# Altium PCB 24V-12V_5X4.PcbDoc (part 3 of 4) (continued)
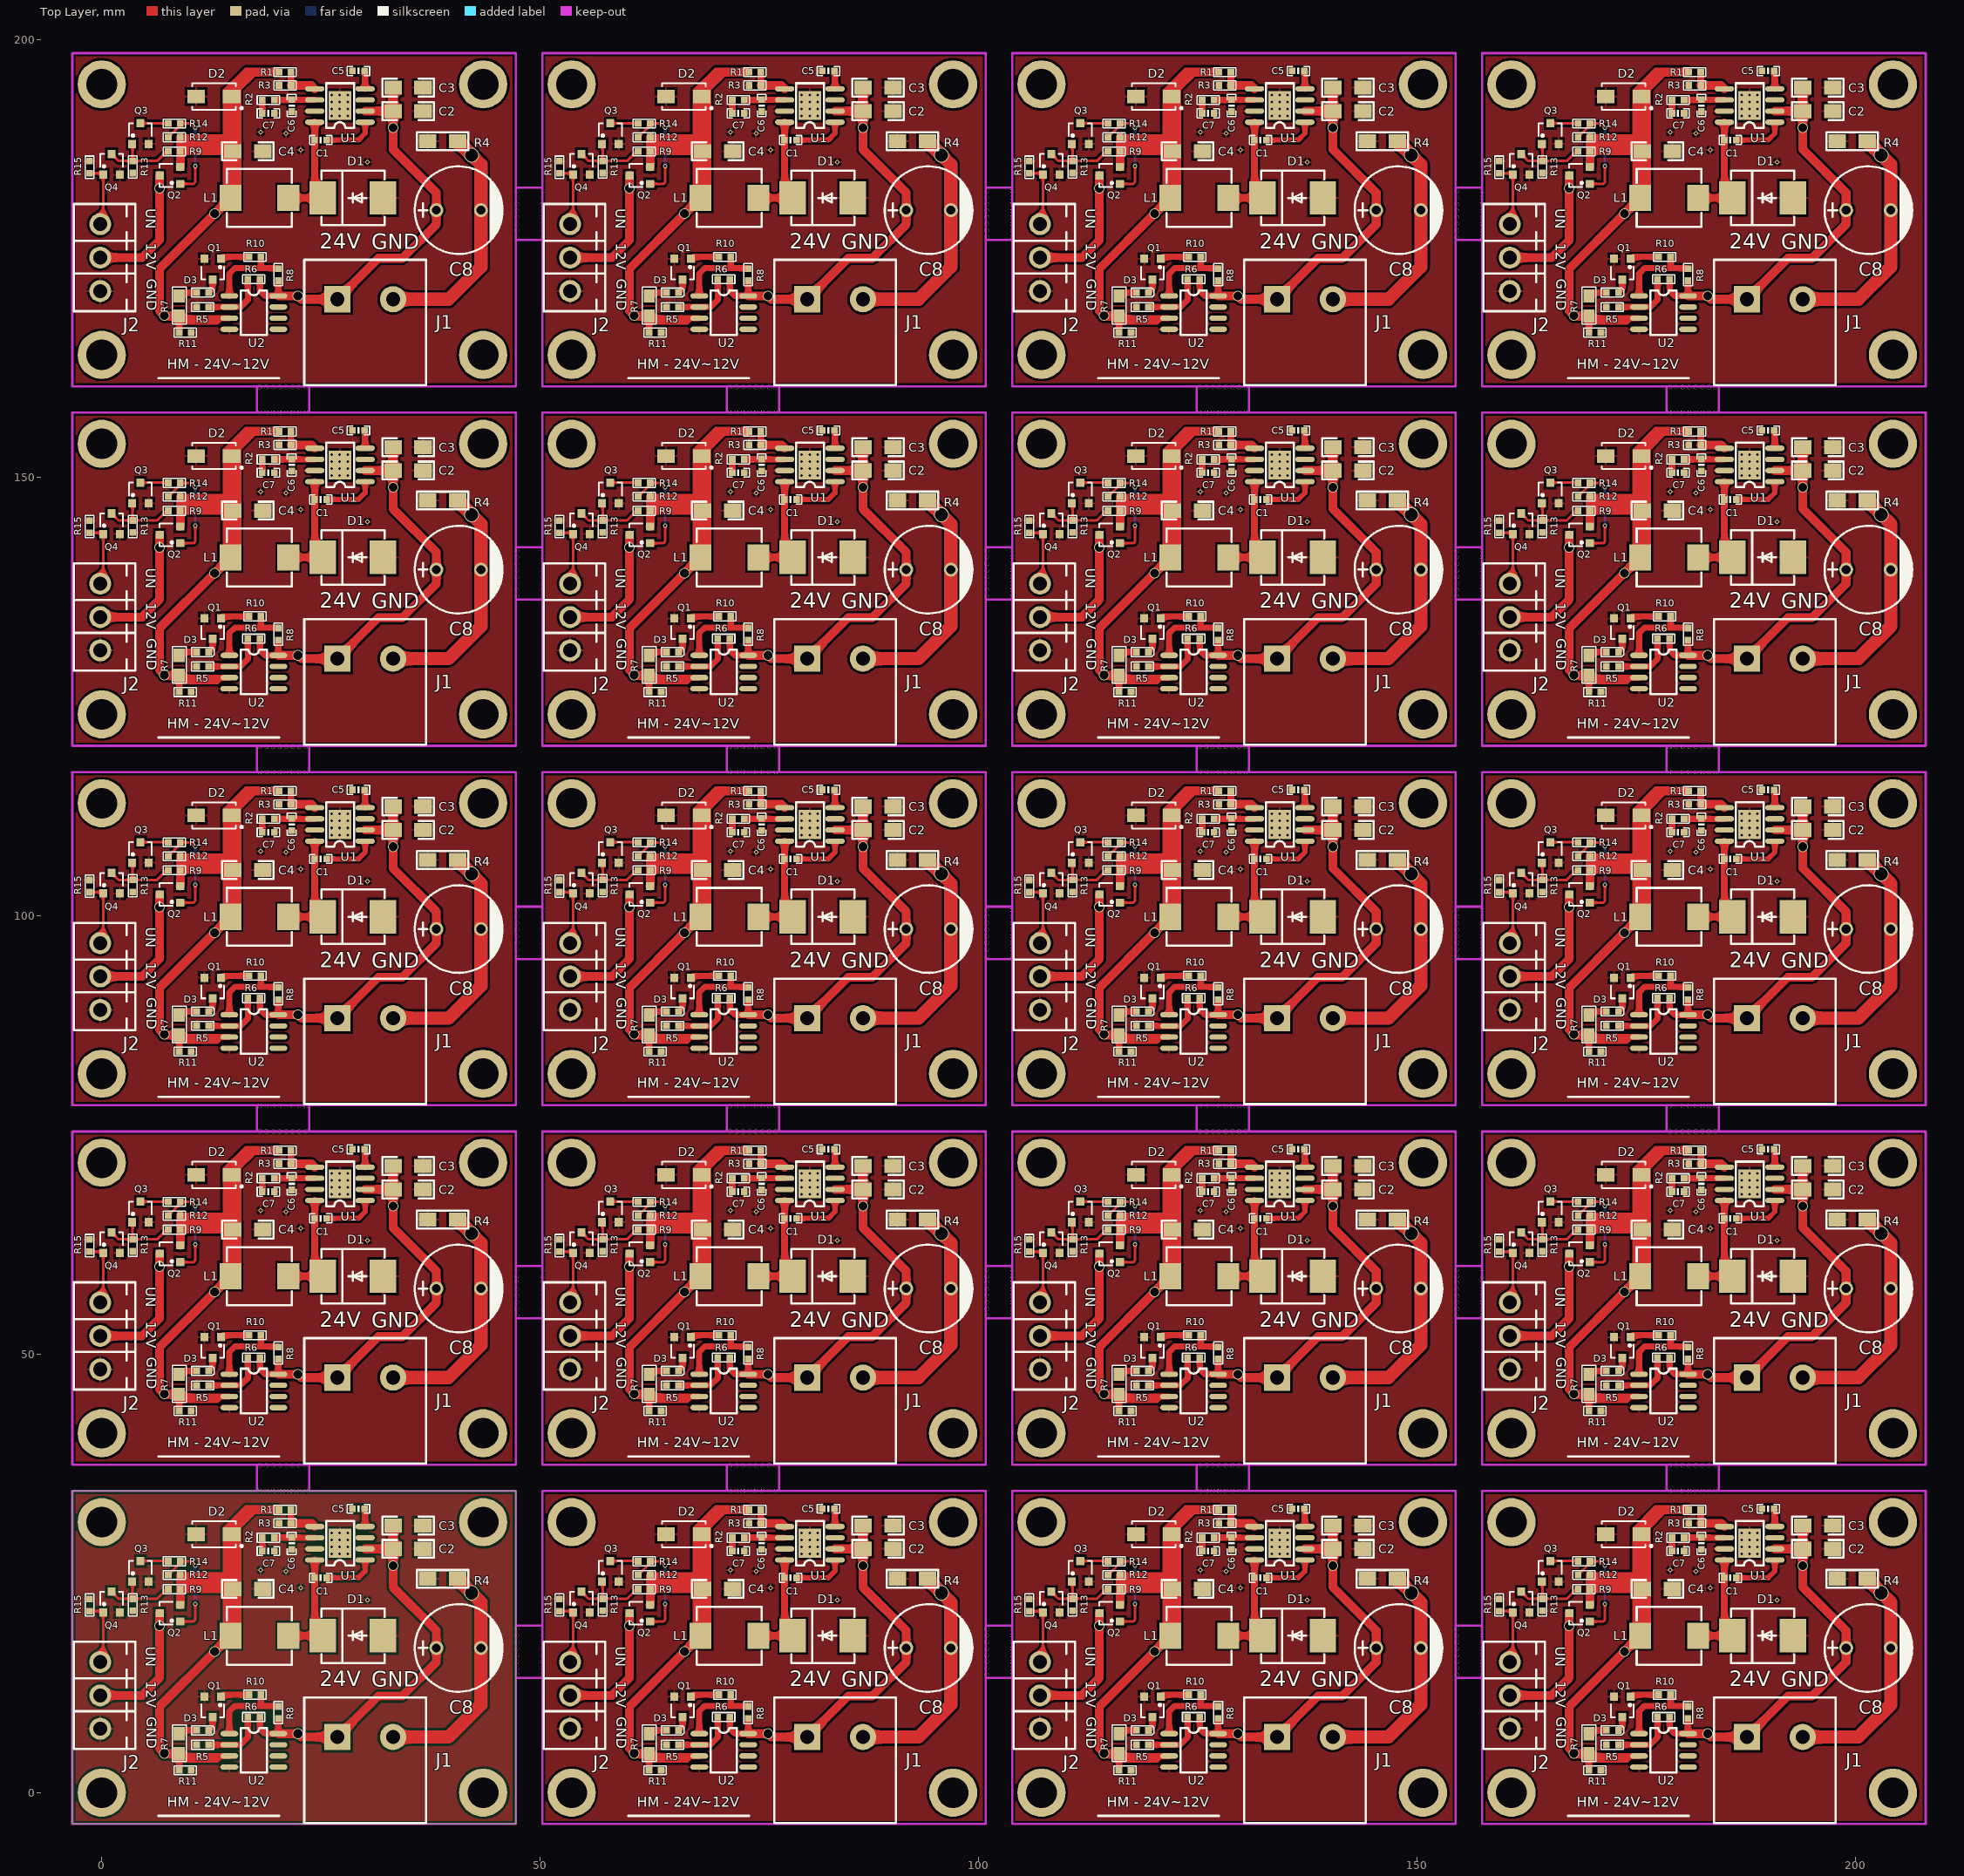
[diagram p0: Top Layer view]
## Nets (pads, with @x,y where several pads share a name; then routed paths per layer and width w, separated by ;. In a path a pad name is that pad's centre, name@x,y a point inside that pad or via, vN(x,y) a via of type N, cw(c..) or ccw(c..) an arc to the next point about the centre after c; other vN are vias at no path point) (continued)
  Top Layer w0.8: 21.285,17.907 25.216,17.907 24.298,18.825 24.298,26.542 ; 21.285,58.907 25.216,58.907 24.298,59.825 24.298,67.542 ; 21.285,99.907 25.216,99.907 24.298,100.825 24.298,108.542 ; 21.285,140.907 25.216,140.907 24.298,141.825 24.298,149.542 ; 21.285,181.907 25.216,181.907 24.298,182.825 24.298,190.542 ; 74.885,17.907 78.816,17.907 77.898,18.825 77.898,26.542 ; 74.885,58.907 78.816,58.907 77.898,59.825 77.898,67.542 ; 74.885,99.907 78.816,99.907 77.898,100.825 77.898,108.542 ; 74.885,140.907 78.816,140.907 77.898,141.825 77.898,149.542 ; 74.885,181.907 78.816,181.907 77.898,182.825 77.898,190.542 ; 128.485,17.907 132.416,17.907 131.498,18.825 131.498,26.542 ; 128.485,58.907 132.416,58.907 131.498,59.825 131.498,67.542 ; 128.485,99.907 132.416,99.907 131.498,100.825 131.498,108.542 ; 128.485,140.907 132.416,140.907 131.498,141.825 131.498,149.542 ; 128.485,181.907 132.416,181.907 131.498,182.825 131.498,190.542 ; 182.085,17.907 186.016,17.907 185.098,18.825 185.098,26.542 ; 182.085,58.907 186.016,58.907 185.098,59.825 185.098,67.542 ; 182.085,99.907 186.016,99.907 185.098,100.825 185.098,108.542 ; 182.085,140.907 186.016,140.907 185.098,141.825 185.098,149.542 ; 182.085,181.907 186.016,181.907 185.098,182.825 185.098,190.542
  Top Layer w1: -0.178,11.1 4.597,11.1 6.597,13.1 v2(6.597,19.025) 6.597,20.472 ; -0.178,52.1 4.597,52.1 6.597,54.1 v2(6.597,60.025) 6.597,61.472 ; -0.178,93.1 4.597,93.1 6.597,95.1 v2(6.597,101.025) 6.597,102.472 ; -0.178,134.1 4.597,134.1 6.597,136.1 v2(6.597,142.025) 6.597,143.472 ; -0.178,175.1 4.597,175.1 6.597,177.1 v2(6.597,183.025) 6.597,184.472 ; v2@7.115,4.468 7.14,4.442 8.841,4.442 ; v2@7.115,45.468 7.14,45.442 8.841,45.442 ; v2@7.115,86.468 7.14,86.442 8.841,86.442 ; v2@7.115,127.468 7.14,127.442 8.841,127.442 ; v2@7.115,168.468 7.14,168.442 8.841,168.442 ; v2(7.14,4.493) 6.579,5.055 6.579,9.804 v2(12.878,16.104) 14.681,17.907 14.932,18.158 14.932,23.24 ; v2(7.14,45.493) 6.579,46.055 6.579,50.804 v2(12.878,57.104) 14.681,58.907 14.932,59.158 14.932,64.24 ; v2(7.14,86.493) 6.579,87.055 6.579,91.804 v2(12.878,98.104) 14.681,99.907 14.932,100.158 14.932,105.24 ; v2(7.14,127.493) 6.579,128.055 6.579,132.804 v2(12.878,139.104) 14.681,140.907 14.932,141.158 14.932,146.24 ; v2(7.14,168.493) 6.579,169.055 6.579,173.804 v2(12.878,180.104) 14.681,181.907 14.932,182.158 14.932,187.24 ; 8.947,21.422 8.966,21.441 8.966,23.216 8.966,24.816 ; 8.947,62.422 8.966,62.441 8.966,64.216 8.966,65.816 ; 8.947,103.422 8.966,103.441 8.966,105.216 8.966,106.816 ; 8.947,144.422 8.966,144.441 8.966,146.216 8.966,147.816 ; 8.947,185.422 8.966,185.441 8.966,187.216 8.966,188.816 ; v2@12.852,16.104 v2@12.852,16.129 ; v2@12.852,57.104 v2@12.852,57.129 ; v2@12.852,98.104 v2@12.852,98.129 ; v2@12.852,139.104 v2@12.852,139.129 ; v2@12.852,180.104 v2@12.852,180.129 ; 14.384,25.996 14.384,23.788 14.932,23.24 ; 14.384,66.996 14.384,64.788 14.932,64.24 ; 14.384,107.996 14.384,105.788 14.932,105.24 ; 14.384,148.996 14.384,146.788 14.932,146.24 ; 14.384,189.996 14.384,187.788 14.932,187.24 ; 14.908,23.216 14.932,23.24 ; 14.908,64.216 14.932,64.24 ; 14.908,105.216 14.932,105.24 ; 14.908,146.216 14.932,146.24 ; 14.908,187.216 14.932,187.24 ; 20.145,6.732 v2(22.377,6.732) 22.76,6.35 26.873,6.35 31.547,11.024 34.29,11.024 38.176,14.91 38.176,16.51 38.176,18.491 33.22,23.447 v2(33.22,25.908) 33.22,27.812 ; 20.145,47.732 v2(22.377,47.732) 22.76,47.35 26.873,47.35 31.547,52.024 34.29,52.024 38.176,55.91 38.176,57.51 38.176,59.491 33.22,64.447 v2(33.22,66.908) 33.22,68.812 ; 20.145,88.732 v2(22.377,88.732) 22.76,88.35 26.873,88.35 31.547,93.024 34.29,93.024 38.176,96.91 38.176,98.51 38.176,100.491 33.22,105.447 v2(33.22,107.908) 33.22,109.812 ; 20.145,129.732 v2(22.377,129.732) 22.76,129.35 26.873,129.35 31.547,134.024 34.29,134.024 38.176,137.91 38.176,139.51 38.176,141.491 33.22,146.447 v2(33.22,148.908) 33.22,150.812 ; 20.145,170.732 v2(22.377,170.732) 22.76,170.35 26.873,170.35 31.547,175.024 34.29,175.024 38.176,178.91 38.176,180.51 38.176,182.491 33.22,187.447 v2(33.22,189.908) 33.22,191.812 ; 21.59,30.734 23.916,30.734 24.298,30.352 ; 21.59,71.734 23.916,71.734 24.298,71.352 ; 21.59,112.734 23.916,112.734 24.298,112.352 ; 21.59,153.734 23.916,153.734 24.298,153.352 ; 21.59,194.734 23.916,194.734 24.298,194.352 ; 30.045,27.812 33.22,27.812 ; 30.045,68.812 33.22,68.812 ; 30.045,109.812 33.22,109.812 ; 30.045,150.812 33.22,150.812 ; 30.045,191.812 33.22,191.812 ; 33.22,30.479 33.22,27.812 ; 33.22,71.479 33.22,68.812 ; 33.22,112.479 33.22,109.812 ; 33.22,153.479 33.22,150.812 ; 33.22,194.479 33.22,191.812 ; 53.422,11.1 58.197,11.1 60.197,13.1 v2(60.197,19.025) 60.197,20.472 ; 53.422,52.1 58.197,52.1 60.197,54.1 v2(60.197,60.025) 60.197,61.472 ; 53.422,93.1 58.197,93.1 60.197,95.1 v2(60.197,101.025) 60.197,102.472 ; 53.422,134.1 58.197,134.1 60.197,136.1 v2(60.197,142.025) 60.197,143.472 ; 53.422,175.1 58.197,175.1 60.197,177.1 v2(60.197,183.025) 60.197,184.472 ; v2@60.715,4.468 60.74,4.442 62.441,4.442 ; v2@60.715,45.468 60.74,45.442 62.441,45.442 ; v2@60.715,86.468 60.74,86.442 62.441,86.442 ; v2@60.715,127.468 60.74,127.442 62.441,127.442 ; v2@60.715,168.468 60.74,168.442 62.441,168.442 ; v2(60.74,4.493) 60.179,5.055 60.179,9.804 v2(66.478,16.104) 68.281,17.907 68.532,18.158 68.532,23.24 ; v2(60.74,45.493) 60.179,46.055 60.179,50.804 v2(66.478,57.104) 68.281,58.907 68.532,59.158 68.532,64.24 ; v2(60.74,86.493) 60.179,87.055 60.179,91.804 v2(66.478,98.104) 68.281,99.907 68.532,100.158 68.532,105.24 ; v2(60.74,127.493) 60.179,128.055 60.179,132.804 v2(66.478,139.104) 68.281,140.907 68.532,141.158 68.532,146.24 ; v2(60.74,168.493) 60.179,169.055 60.179,173.804 v2(66.478,180.104) 68.281,181.907 68.532,182.158 68.532,187.24 ; 62.547,21.422 62.566,21.441 62.566,23.216 62.566,24.816 ; 62.547,62.422 62.566,62.441 62.566,64.216 62.566,65.816 ; 62.547,103.422 62.566,103.441 62.566,105.216 62.566,106.816 ; 62.547,144.422 62.566,144.441 62.566,146.216 62.566,147.816 ; 62.547,185.422 62.566,185.441 62.566,187.216 62.566,188.816 ; v2@66.452,16.104 v2@66.452,16.129 ; v2@66.452,57.104 v2@66.452,57.129 ; v2@66.452,98.104 v2@66.452,98.129 ; v2@66.452,139.104 v2@66.452,139.129 ; v2@66.452,180.104 v2@66.452,180.129 ; 67.984,25.996 67.984,23.788 68.532,23.24 ; 67.984,66.996 67.984,64.788 68.532,64.24 ; 67.984,107.996 67.984,105.788 68.532,105.24 ; 67.984,148.996 67.984,146.788 68.532,146.24 ; 67.984,189.996 67.984,187.788 68.532,187.24 ; 68.508,23.216 68.532,23.24 ; 68.508,64.216 68.532,64.24 ; 68.508,105.216 68.532,105.24 ; 68.508,146.216 68.532,146.24 ; 68.508,187.216 68.532,187.24 ; 73.745,6.732 v2(75.977,6.732) 76.36,6.35 80.473,6.35 85.147,11.024 87.89,11.024 91.776,14.91 91.776,16.51 91.776,18.491 86.82,23.447 v2(86.82,25.908) 86.82,27.812 ; 73.745,47.732 v2(75.977,47.732) 76.36,47.35 80.473,47.35 85.147,52.024 87.89,52.024 91.776,55.91 91.776,57.51 91.776,59.491 86.82,64.447 v2(86.82,66.908) 86.82,68.812 ; 73.745,88.732 v2(75.977,88.732) 76.36,88.35 80.473,88.35 85.147,93.024 87.89,93.024 91.776,96.91 91.776,98.51 91.776,100.491 86.82,105.447 v2(86.82,107.908) 86.82,109.812 ; 73.745,129.732 v2(75.977,129.732) 76.36,129.35 80.473,129.35 85.147,134.024 87.89,134.024 91.776,137.91 91.776,139.51 91.776,141.491 86.82,146.447 v2(86.82,148.908) 86.82,150.812 ; 73.745,170.732 v2(75.977,170.732) 76.36,170.35 80.473,170.35 85.147,175.024 87.89,175.024 91.776,178.91 91.776,180.51 91.776,182.491 86.82,187.447 v2(86.82,189.908) 86.82,191.812 ; 75.19,30.734 77.516,30.734 77.898,30.352 ; 75.19,71.734 77.516,71.734 77.898,71.352 ; 75.19,112.734 77.516,112.734 77.898,112.352 ; 75.19,153.734 77.516,153.734 77.898,153.352 ; 75.19,194.734 77.516,194.734 77.898,194.352 ; 83.645,27.812 86.82,27.812 ; 83.645,68.812 86.82,68.812 ; 83.645,109.812 86.82,109.812 ; 83.645,150.812 86.82,150.812 ; 83.645,191.812 86.82,191.812 ; 86.82,30.479 86.82,27.812 ; 86.82,71.479 86.82,68.812 ; 86.82,112.479 86.82,109.812 ; 86.82,153.479 86.82,150.812 ; 86.82,194.479 86.82,191.812 ; 107.022,11.1 111.797,11.1 113.797,13.1 v2(113.797,19.025) 113.797,20.472 ; 107.022,52.1 111.797,52.1 113.797,54.1 v2(113.797,60.025) 113.797,61.472 ; 107.022,93.1 111.797,93.1 113.797,95.1 v2(113.797,101.025) 113.797,102.472 ; 107.022,134.1 111.797,134.1 113.797,136.1 v2(113.797,142.025) 113.797,143.472 ; 107.022,175.1 111.797,175.1 113.797,177.1 v2(113.797,183.025) 113.797,184.472 ; 113.779,9.804 113.779,5.055 v2(114.34,4.493) ; 113.779,50.804 113.779,46.055 v2(114.34,45.493) ; 113.779,91.804 113.779,87.055 v2(114.34,86.493) ; 113.779,132.804 113.779,128.055 v2(114.34,127.493) ; 113.779,173.804 113.779,169.055 v2(114.34,168.493) ; 113.779,9.804 v2(120.078,16.104) 121.881,17.907 122.132,18.158 122.132,23.24 ; 113.779,50.804 v2(120.078,57.104) 121.881,58.907 122.132,59.158 122.132,64.24 ; 113.779,91.804 v2(120.078,98.104) 121.881,99.907 122.132,100.158 122.132,105.24 ; 113.779,132.804 v2(120.078,139.104) 121.881,140.907 122.132,141.158 122.132,146.24 ; 113.779,173.804 v2(120.078,180.104) 121.881,181.907 122.132,182.158 122.132,187.24 ; v2@114.315,4.468 114.34,4.442 116.041,4.442 ; v2@114.315,45.468 114.34,45.442 116.041,45.442 ; v2@114.315,86.468 114.34,86.442 116.041,86.442 ; v2@114.315,127.468 114.34,127.442 116.041,127.442 ; v2@114.315,168.468 114.34,168.442 116.041,168.442 ; 116.147,21.422 116.166,21.441 116.166,23.216 116.166,24.816 ; 116.147,62.422 116.166,62.441 116.166,64.216 116.166,65.816 ; 116.147,103.422 116.166,103.441 116.166,105.216 116.166,106.816 ; 116.147,144.422 116.166,144.441 116.166,146.216 116.166,147.816 ; 116.147,185.422 116.166,185.441 116.166,187.216 116.166,188.816 ; v2@120.052,16.104 v2@120.052,16.129 ; v2@120.052,57.104 v2@120.052,57.129 ; v2@120.052,98.104 v2@120.052,98.129 ; v2@120.052,139.104 v2@120.052,139.129 ; v2@120.052,180.104 v2@120.052,180.129 ; 121.584,25.996 121.584,23.788 122.132,23.24 ; 121.584,66.996 121.584,64.788 122.132,64.24 ; 121.584,107.996 121.584,105.788 122.132,105.24 ; 121.584,148.996 121.584,146.788 122.132,146.24 ; 121.584,189.996 121.584,187.788 122.132,187.24 ; 122.108,23.216 122.132,23.24 ; 122.108,64.216 122.132,64.24 ; 122.108,105.216 122.132,105.24 ; 122.108,146.216 122.132,146.24 ; 122.108,187.216 122.132,187.24 ; 127.345,6.732 v2(129.577,6.732) 129.96,6.35 134.073,6.35 138.747,11.024 141.49,11.024 145.376,14.91 145.376,16.51 145.376,18.491 140.42,23.447 v2(140.42,25.908) 140.42,27.812 ; 127.345,47.732 v2(129.577,47.732) 129.96,47.35 134.073,47.35 138.747,52.024 141.49,52.024 145.376,55.91 145.376,57.51 145.376,59.491 140.42,64.447 v2(140.42,66.908) 140.42,68.812 ; 127.345,88.732 v2(129.577,88.732) 129.96,88.35 134.073,88.35 138.747,93.024 141.49,93.024 145.376,96.91 145.376,98.51 145.376,100.491 140.42,105.447 v2(140.42,107.908) 140.42,109.812 ; 127.345,129.732 v2(129.577,129.732) 129.96,129.35 134.073,129.35 138.747,134.024 141.49,134.024 145.376,137.91 145.376,139.51 145.376,141.491 140.42,146.447 v2(140.42,148.908) 140.42,150.812 ; 127.345,170.732 v2(129.577,170.732) 129.96,170.35 134.073,170.35 138.747,175.024 141.49,175.024 145.376,178.91 145.376,180.51 145.376,182.491 140.42,187.447 v2(140.42,189.908) 140.42,191.812 ; 128.79,30.734 131.116,30.734 131.498,30.352 ; 128.79,71.734 131.116,71.734 131.498,71.352 ; 128.79,112.734 131.116,112.734 131.498,112.352 ; 128.79,153.734 131.116,153.734 131.498,153.352 ; 128.79,194.734 131.116,194.734 131.498,194.352 ; 137.245,27.812 140.42,27.812 ; 137.245,68.812 140.42,68.812 ; 137.245,109.812 140.42,109.812 ; 137.245,150.812 140.42,150.812 ; 137.245,191.812 140.42,191.812 ; 140.42,30.479 140.42,27.812 ; 140.42,71.479 140.42,68.812 ; 140.42,112.479 140.42,109.812 ; 140.42,153.479 140.42,150.812 ; 140.42,194.479 140.42,191.812 ; 160.622,11.1 165.397,11.1 167.397,13.1 v2(167.397,19.025) 167.397,20.472 ; 160.622,52.1 165.397,52.1 167.397,54.1 v2(167.397,60.025) 167.397,61.472 ; 160.622,93.1 165.397,93.1 167.397,95.1 v2(167.397,101.025) 167.397,102.472 ; 160.622,134.1 165.397,134.1 167.397,136.1 v2(167.397,142.025) 167.397,143.472 ; 160.622,175.1 165.397,175.1 167.397,177.1 v2(167.397,183.025) 167.397,184.472 ; v2@167.915,4.468 167.94,4.442 169.641,4.442 ; v2@167.915,45.468 167.94,45.442 169.641,45.442 ; v2@167.915,86.468 167.94,86.442 169.641,86.442 ; v2@167.915,127.468 167.94,127.442 169.641,127.442 ; v2@167.915,168.468 167.94,168.442 169.641,168.442 ; v2(167.94,4.493) 167.379,5.055 167.379,9.804 v2(173.678,16.104) 175.481,17.907 175.732,18.158 175.732,23.24 ; v2(167.94,45.493) 167.379,46.055 167.379,50.804 v2(173.678,57.104) 175.481,58.907 175.732,59.158 175.732,64.24 ; v2(167.94,86.493) 167.379,87.055 167.379,91.804 v2(173.678,98.104) 175.481,99.907 175.732,100.158 175.732,105.24 ; v2(167.94,127.493) 167.379,128.055 167.379,132.804 v2(173.678,139.104) 175.481,140.907 175.732,141.158 175.732,146.24 ; v2(167.94,168.493) 167.379,169.055 167.379,173.804 v2(173.678,180.104) 175.481,181.907 175.732,182.158 175.732,187.24 ; 169.747,21.422 169.766,21.441 169.766,23.216 169.766,24.816 ; 169.747,62.422 169.766,62.441 169.766,64.216 169.766,65.816 ; 169.747,103.422 169.766,103.441 169.766,105.216 169.766,106.816 ; 169.747,144.422 169.766,144.441 169.766,146.216 169.766,147.816 ; 169.747,185.422 169.766,185.441 169.766,187.216 169.766,188.816 ; v2@173.652,16.104 v2@173.652,16.129 ; v2@173.652,57.104 v2@173.652,57.129 ; v2@173.652,98.104 v2@173.652,98.129 ; v2@173.652,139.104 v2@173.652,139.129 ; v2@173.652,180.104 v2@173.652,180.129 ; 175.184,25.996 175.184,23.788 175.732,23.24 ; 175.184,66.996 175.184,64.788 175.732,64.24 ; 175.184,107.996 175.184,105.788 175.732,105.24 ; 175.184,148.996 175.184,146.788 175.732,146.24 ; 175.184,189.996 175.184,187.788 175.732,187.24 ; 175.708,23.216 175.732,23.24 ; 175.708,64.216 175.732,64.24 ; 175.708,105.216 175.732,105.24 ; 175.708,146.216 175.732,146.24 ; 175.708,187.216 175.732,187.24 ; 180.945,6.732 v2(183.177,6.732) 183.56,6.35 187.673,6.35 192.347,11.024 195.09,11.024 198.976,14.91 198.976,16.51 198.976,18.491 194.02,23.447 v2(194.02,25.908) 194.02,27.812 ; 180.945,47.732 v2(183.177,47.732) 183.56,47.35 187.673,47.35 192.347,52.024 195.09,52.024 198.976,55.91 198.976,57.51 198.976,59.491 194.02,64.447 v2(194.02,66.908) 194.02,68.812 ; 180.945,88.732 v2(183.177,88.732) 183.56,88.35 187.673,88.35 192.347,93.024 195.09,93.024 198.976,96.91 198.976,98.51 198.976,100.491 194.02,105.447 v2(194.02,107.908) 194.02,109.812 ; 180.945,129.732 v2(183.177,129.732) 183.56,129.35 187.673,129.35 192.347,134.024 195.09,134.024 198.976,137.91 198.976,139.51 198.976,141.491 194.02,146.447 v2(194.02,148.908) 194.02,150.812 ; 180.945,170.732 v2(183.177,170.732) 183.56,170.35 187.673,170.35 192.347,175.024 195.09,175.024 198.976,178.91 198.976,180.51 198.976,182.491 194.02,187.447 v2(194.02,189.908) 194.02,191.812 ; 182.39,30.734 184.716,30.734 185.098,30.352 ; 182.39,71.734 184.716,71.734 185.098,71.352 ; 182.39,112.734 184.716,112.734 185.098,112.352 ; 182.39,153.734 184.716,153.734 185.098,153.352 ; 182.39,194.734 184.716,194.734 185.098,194.352 ; 190.845,27.812 194.02,27.812 ; 190.845,68.812 194.02,68.812 ; 190.845,109.812 194.02,109.812 ; 190.845,150.812 194.02,150.812 ; 190.845,191.812 194.02,191.812 ; 194.02,30.479 194.02,27.812 ; 194.02,71.479 194.02,68.812 ; 194.02,112.479 194.02,109.812 ; 194.02,153.479 194.02,150.812 ; 194.02,194.479 194.02,191.812
  Top Layer w1.5: 33.223,6.35 39.573,6.35 43.256,10.033 43.256,16.51 43.256,21.721 v3(42.191,22.786) 40.592,24.385 ; 33.223,47.35 39.573,47.35 43.256,51.033 43.256,57.51 43.256,62.721 v3(42.191,63.786) 40.592,65.385 ; 33.223,88.35 39.573,88.35 43.256,92.033 43.256,98.51 43.256,103.721 v3(42.191,104.786) 40.592,106.385 ; 33.223,129.35 39.573,129.35 43.256,133.033 43.256,139.51 43.256,144.721 v3(42.191,145.786) 40.592,147.385 ; 33.223,170.35 39.573,170.35 43.256,174.033 43.256,180.51 43.256,185.721 v3(42.191,186.786) 40.592,188.385 ; 86.823,6.35 93.173,6.35 96.856,10.033 96.856,16.51 96.856,21.721 v3(95.791,22.786) 94.192,24.385 ; 86.823,47.35 93.173,47.35 96.856,51.033 96.856,57.51 96.856,62.721 v3(95.791,63.786) 94.192,65.385 ; 86.823,88.35 93.173,88.35 96.856,92.033 96.856,98.51 96.856,103.721 v3(95.791,104.786) 94.192,106.385 ; 86.823,129.35 93.173,129.35 96.856,133.033 96.856,139.51 96.856,144.721 v3(95.791,145.786) 94.192,147.385 ; 86.823,170.35 93.173,170.35 96.856,174.033 96.856,180.51 96.856,185.721 v3(95.791,186.786) 94.192,188.385 ; 140.423,6.35 146.773,6.35 150.456,10.033 150.456,16.51 150.456,21.721 v3(149.391,22.786) 147.792,24.385 ; 140.423,47.35 146.773,47.35 150.456,51.033 150.456,57.51 150.456,62.721 v3(149.391,63.786) 147.792,65.385 ; 140.423,88.35 146.773,88.35 150.456,92.033 150.456,98.51 150.456,103.721 v3(149.391,104.786) 147.792,106.385 ; 140.423,129.35 146.773,129.35 150.456,133.033 150.456,139.51 150.456,144.721 v3(149.391,145.786) 147.792,147.385 ; 140.423,170.35 146.773,170.35 150.456,174.033 150.456,180.51 150.456,185.721 v3(149.391,186.786) 147.792,188.385 ; 194.023,6.35 200.373,6.35 204.056,10.033 204.056,16.51 204.056,21.721 v3(202.992,22.786) 201.392,24.385 ; 194.023,47.35 200.373,47.35 204.056,51.033 204.056,57.51 204.056,62.721 v3(202.992,63.786) 201.392,65.385 ; 194.023,88.35 200.373,88.35 204.056,92.033 204.056,98.51 204.056,103.721 v3(202.992,104.786) 201.392,106.385 ; 194.023,129.35 200.373,129.35 204.056,133.033 204.056,139.51 204.056,144.721 v3(202.992,145.786) 201.392,147.385 ; 194.023,170.35 200.373,170.35 204.056,174.033 204.056,180.51 204.056,185.721 v3(202.992,186.786) 201.392,188.385
  Bottom Layer w0.3: v1(10.668,21.539) v1(10.668,25.908) ; v1(10.668,62.539) v1(10.668,66.908) ; v1(10.668,103.539) v1(10.668,107.908) ; v1(10.668,144.539) v1(10.668,148.908) ; v1(10.668,185.539) v1(10.668,189.908) ; v1(64.268,21.539) v1(64.268,25.908) ; v1(64.268,62.539) v1(64.268,66.908) ; v1(64.268,103.539) v1(64.268,107.908) ; v1(64.268,144.539) v1(64.268,148.908) ; v1(64.268,185.539) v1(64.268,189.908) ; v1(117.868,21.539) v1(117.868,25.908) ; v1(117.868,62.539) v1(117.868,66.908) ; v1(117.868,103.539) v1(117.868,107.908) ; v1(117.868,144.539) v1(117.868,148.908) ; v1(117.868,185.539) v1(117.868,189.908) ; v1(171.468,21.539) v1(171.468,25.908) ; v1(171.468,62.539) v1(171.468,66.908) ; v1(171.468,103.539) v1(171.468,107.908) ; v1(171.468,144.539) v1(171.468,148.908) ; v1(171.468,185.539) v1(171.468,189.908)
  Bottom Layer w1: -0.178,11.1 4.597,11.1 6.597,13.1 v2(6.597,19.025) ; -0.178,52.1 4.597,52.1 6.597,54.1 v2(6.597,60.025) ; -0.178,93.1 4.597,93.1 6.597,95.1 v2(6.597,101.025) ; -0.178,134.1 4.597,134.1 6.597,136.1 v2(6.597,142.025) ; -0.178,175.1 4.597,175.1 6.597,177.1 v2(6.597,183.025) ; v2(7.14,4.493) 6.579,5.055 6.579,9.804 v2(12.878,16.104) ; v2(7.14,45.493) 6.579,46.055 6.579,50.804 v2(12.878,57.104) ; v2(7.14,86.493) 6.579,87.055 6.579,91.804 v2(12.878,98.104) ; v2(7.14,127.493) 6.579,128.055 6.579,132.804 v2(12.878,139.104) ; v2(7.14,168.493) 6.579,169.055 6.579,173.804 v2(12.878,180.104) ; v2(22.377,6.732) 22.76,6.35 26.873,6.35 31.547,11.024 34.29,11.024 38.176,14.91 38.176,16.51 38.176,18.491 33.22,23.447 v2(33.22,25.908) ; v2(22.377,47.732) 22.76,47.35 26.873,47.35 31.547,52.024 34.29,52.024 38.176,55.91 38.176,57.51 38.176,59.491 33.22,64.447 v2(33.22,66.908) ; v2(22.377,88.732) 22.76,88.35 26.873,88.35 31.547,93.024 34.29,93.024 38.176,96.91 38.176,98.51 38.176,100.491 33.22,105.447 v2(33.22,107.908) ; v2(22.377,129.732) 22.76,129.35 26.873,129.35 31.547,134.024 34.29,134.024 38.176,137.91 38.176,139.51 38.176,141.491 33.22,146.447 v2(33.22,148.908) ; v2(22.377,170.732) 22.76,170.35 26.873,170.35 31.547,175.024 34.29,175.024 38.176,178.91 38.176,180.51 38.176,182.491 33.22,187.447 v2(33.22,189.908) ; 53.422,11.1 58.197,11.1 60.197,13.1 v2(60.197,19.025) ; 53.422,52.1 58.197,52.1 60.197,54.1 v2(60.197,60.025) ; 53.422,93.1 58.197,93.1 60.197,95.1 v2(60.197,101.025) ; 53.422,134.1 58.197,134.1 60.197,136.1 v2(60.197,142.025) ; 53.422,175.1 58.197,175.1 60.197,177.1 v2(60.197,183.025) ; v2(60.74,4.493) 60.179,5.055 60.179,9.804 v2(66.478,16.104) ; v2(60.74,45.493) 60.179,46.055 60.179,50.804 v2(66.478,57.104) ; v2(60.74,86.493) 60.179,87.055 60.179,91.804 v2(66.478,98.104) ; v2(60.74,127.493) 60.179,128.055 60.179,132.804 v2(66.478,139.104) ; v2(60.74,168.493) 60.179,169.055 60.179,173.804 v2(66.478,180.104) ; v2(75.977,6.732) 76.36,6.35 80.473,6.35 85.147,11.024 87.89,11.024 91.776,14.91 91.776,16.51 91.776,18.491 86.82,23.447 v2(86.82,25.908) ; v2(75.977,47.732) 76.36,47.35 80.473,47.35 85.147,52.024 87.89,52.024 91.776,55.91 91.776,57.51 91.776,59.491 86.82,64.447 v2(86.82,66.908) ; v2(75.977,88.732) 76.36,88.35 80.473,88.35 85.147,93.024 87.89,93.024 91.776,96.91 91.776,98.51 91.776,100.491 86.82,105.447 v2(86.82,107.908) ; v2(75.977,129.732) 76.36,129.35 80.473,129.35 85.147,134.024 87.89,134.024 91.776,137.91 91.776,139.51 91.776,141.491 86.82,146.447 v2(86.82,148.908) ; v2(75.977,170.732) 76.36,170.35 80.473,170.35 85.147,175.024 87.89,175.024 91.776,178.91 91.776,180.51 91.776,182.491 86.82,187.447 v2(86.82,189.908) ; 107.022,11.1 111.797,11.1 113.797,13.1 v2(113.797,19.025) ; 107.022,52.1 111.797,52.1 113.797,54.1 v2(113.797,60.025) ; 107.022,93.1 111.797,93.1 113.797,95.1 v2(113.797,101.025) ; 107.022,134.1 111.797,134.1 113.797,136.1 v2(113.797,142.025) ; 107.022,175.1 111.797,175.1 113.797,177.1 v2(113.797,183.025) ; 113.779,9.804 113.779,5.055 v2(114.34,4.493) ; 113.779,50.804 113.779,46.055 v2(114.34,45.493) ; 113.779,91.804 113.779,87.055 v2(114.34,86.493) ; 113.779,132.804 113.779,128.055 v2(114.34,127.493) ; 113.779,173.804 113.779,169.055 v2(114.34,168.493) ; 113.779,9.804 v2(120.078,16.104) ; 113.779,50.804 v2(120.078,57.104) ; 113.779,91.804 v2(120.078,98.104) ; 113.779,132.804 v2(120.078,139.104) ; 113.779,173.804 v2(120.078,180.104) ; v2(129.577,6.732) 129.96,6.35 134.073,6.35 138.747,11.024 141.49,11.024 145.376,14.91 145.376,16.51 145.376,18.491 140.42,23.447 v2(140.42,25.908) ; v2(129.577,47.732) 129.96,47.35 134.073,47.35 138.747,52.024 141.49,52.024 145.376,55.91 145.376,57.51 145.376,59.491 140.42,64.447 v2(140.42,66.908) ; v2(129.577,88.732) 129.96,88.35 134.073,88.35 138.747,93.024 141.49,93.024 145.376,96.91 145.376,98.51 145.376,100.491 140.42,105.447 v2(140.42,107.908) ; v2(129.577,129.732) 129.96,129.35 134.073,129.35 138.747,134.024 141.49,134.024 145.376,137.91 145.376,139.51 145.376,141.491 140.42,146.447 v2(140.42,148.908) ; v2(129.577,170.732) 129.96,170.35 134.073,170.35 138.747,175.024 141.49,175.024 145.376,178.91 145.376,180.51 145.376,182.491 140.42,187.447 v2(140.42,189.908) ; 160.622,11.1 165.397,11.1 167.397,13.1 v2(167.397,19.025) ; 160.622,52.1 165.397,52.1 167.397,54.1 v2(167.397,60.025) ; 160.622,93.1 165.397,93.1 167.397,95.1 v2(167.397,101.025) ; 160.622,134.1 165.397,134.1 167.397,136.1 v2(167.397,142.025) ; 160.622,175.1 165.397,175.1 167.397,177.1 v2(167.397,183.025) ; v2(167.94,4.493) 167.379,5.055 167.379,9.804 v2(173.678,16.104) ; v2(167.94,45.493) 167.379,46.055 167.379,50.804 v2(173.678,57.104) ; v2(167.94,86.493) 167.379,87.055 167.379,91.804 v2(173.678,98.104) ; v2(167.94,127.493) 167.379,128.055 167.379,132.804 v2(173.678,139.104) ; v2(167.94,168.493) 167.379,169.055 167.379,173.804 v2(173.678,180.104) ; v2(183.177,6.732) 183.56,6.35 187.673,6.35 192.347,11.024 195.09,11.024 198.976,14.91 198.976,16.51 198.976,18.491 194.02,23.447 v2(194.02,25.908) ; v2(183.177,47.732) 183.56,47.35 187.673,47.35 192.347,52.024 195.09,52.024 198.976,55.91 198.976,57.51 198.976,59.491 194.02,64.447 v2(194.02,66.908) ; v2(183.177,88.732) 183.56,88.35 187.673,88.35 192.347,93.024 195.09,93.024 198.976,96.91 198.976,98.51 198.976,100.491 194.02,105.447 v2(194.02,107.908) ; v2(183.177,129.732) 183.56,129.35 187.673,129.35 192.347,134.024 195.09,134.024 198.976,137.91 198.976,139.51 198.976,141.491 194.02,146.447 v2(194.02,148.908) ; v2(183.177,170.732) 183.56,170.35 187.673,170.35 192.347,175.024 195.09,175.024 198.976,178.91 198.976,180.51 198.976,182.491 194.02,187.447 v2(194.02,189.908)
  Bottom Layer w1.5: 33.223,6.35 39.573,6.35 43.256,10.033 43.256,16.51 43.256,21.721 v3(42.191,22.786) ; 33.223,47.35 39.573,47.35 43.256,51.033 43.256,57.51 43.256,62.721 v3(42.191,63.786) ; 33.223,88.35 39.573,88.35 43.256,92.033 43.256,98.51 43.256,103.721 v3(42.191,104.786) ; 33.223,129.35 39.573,129.35 43.256,133.033 43.256,139.51 43.256,144.721 v3(42.191,145.786) ; 33.223,170.35 39.573,170.35 43.256,174.033 43.256,180.51 43.256,185.721 v3(42.191,186.786) ; 86.823,6.35 93.173,6.35 96.856,10.033 96.856,16.51 96.856,21.721 v3(95.791,22.786) ; 86.823,47.35 93.173,47.35 96.856,51.033 96.856,57.51 96.856,62.721 v3(95.791,63.786) ; 86.823,88.35 93.173,88.35 96.856,92.033 96.856,98.51 96.856,103.721 v3(95.791,104.786) ; 86.823,129.35 93.173,129.35 96.856,133.033 96.856,139.51 96.856,144.721 v3(95.791,145.786) ; 86.823,170.35 93.173,170.35 96.856,174.033 96.856,180.51 96.856,185.721 v3(95.791,186.786) ; 140.423,6.35 146.773,6.35 150.456,10.033 150.456,16.51 150.456,21.721 v3(149.391,22.786) ; 140.423,47.35 146.773,47.35 150.456,51.033 150.456,57.51 150.456,62.721 v3(149.391,63.786) ; 140.423,88.35 146.773,88.35 150.456,92.033 150.456,98.51 150.456,103.721 v3(149.391,104.786) ; 140.423,129.35 146.773,129.35 150.456,133.033 150.456,139.51 150.456,144.721 v3(149.391,145.786) ; 140.423,170.35 146.773,170.35 150.456,174.033 150.456,180.51 150.456,185.721 v3(149.391,186.786) ; 194.023,6.35 200.373,6.35 204.056,10.033 204.056,16.51 204.056,21.721 v3(202.992,22.786) ; 194.023,47.35 200.373,47.35 204.056,51.033 204.056,57.51 204.056,62.721 v3(202.992,63.786) ; 194.023,88.35 200.373,88.35 204.056,92.033 204.056,98.51 204.056,103.721 v3(202.992,104.786) ; 194.023,129.35 200.373,129.35 204.056,133.033 204.056,139.51 204.056,144.721 v3(202.992,145.786) ; 194.023,170.35 200.373,170.35 204.056,174.033 204.056,180.51 204.056,185.721 v3(202.992,186.786)